# Allegro board SSOM_K1_Layout.brd (continued)
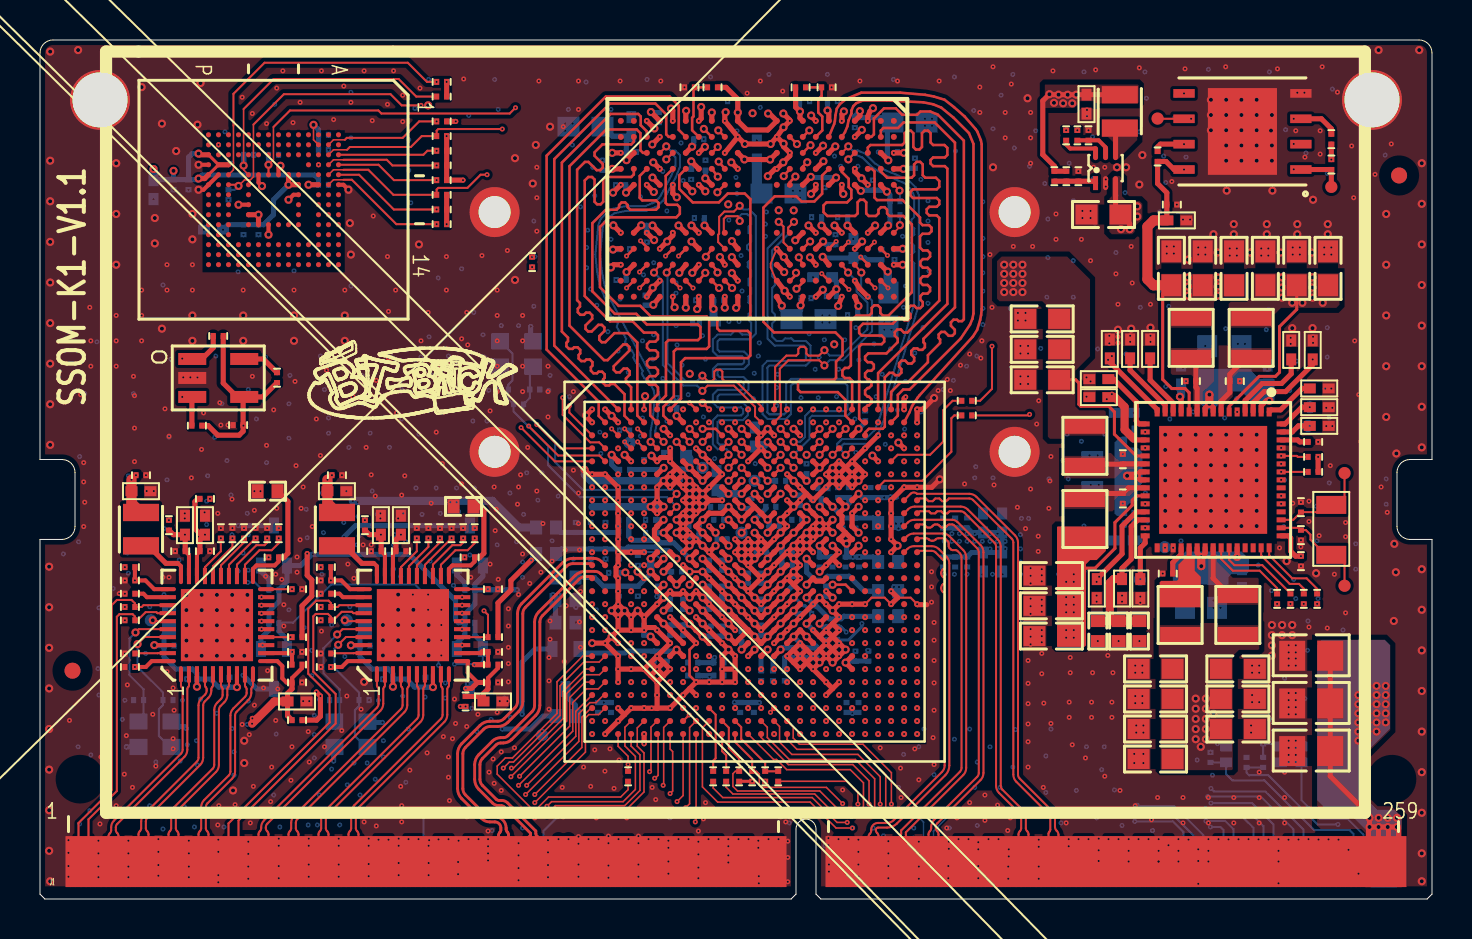
[diagram p0: board, top side]
## Routing (per net, layer and track width the routed paths; a pad name or vN(x,y) marks a point on that pad's centre or on a via; arc(x,y) is an arc through that point) (continued)
VBUS_ON0: length 1.5
  TOP w0.254: U1.E3 v5(28.58,22.23)
  BOTTOM w0.254: v5(28.58,22.23) 28.58,21.75 28.84,21.48 R100.1
VCC1V8_SYS: length 109.3
  TOP w0.152: U5.6 59.46,24.66 60.96,26.16 61.77,26.16 61.98,26.37 61.98,28.65 62.84,29.51 C139.2 ; U7.P3 U7.N4 8.93,36.75 U7.P5 ; R11.2 v7(35.61,5.89)
  TOP w0.254: R125.1 22.9,14.82 23.55,15.47 23.55,15.94 v1(24.56,16.96) ; R103.2 9.16,25.82 9.85,25.13 U9.4 ; U9.4 11.14,25.13 R102.1 ; U9.4 10.16,25.08 C227.1 10.16,23.71 ; 10.16,23.71 v1(10.17,23.7) ; 10.16,23.71 10.16,23.41 9.96,23.22 8.89,23.22 8.41,23.7 R104.2 ; v5(7.93,36.06) 8.23,36.06 U7.P5 ; U7.N4 U7.M4 ; U7.P3 7.98,37.25 v5(7.93,37.31) ; U1.AA21 v5(40.28,11.83) U1.Y21 ; v1(63.91,22.13) R73.2 ; v1(13.36,17.29) 13.36,16.21 13.59,15.98 13.59,15.16 13.1,14.68 R185.1 ; U7.C6 v5(13.43,35.75) ; U1.F6 v5(31.18,21.58)
  L2 w0.152: v8(33.81,8.38) 33.81,9.26 v1(34.11,9.56) ; v8(35.34,6.39) 35.61,6.12 v7(35.61,5.89)
  L3 w0.152: v8(35.34,6.39) 33.81,7.93 v8(33.81,8.38)
  L3 w0.254: v1(40.61,9.56) 40.87,9.3 v2(40.94,9.3) 41,9.3 41.26,9.56 v1(41.26,9.56) ; v1(24.56,16.96) v2(24.91,16.96) ; v1(34.11,10.21) 34.35,9.96 34.35,9.87 v2(34.34,9.86) 34.34,9.8 v1(34.11,9.56) ; v1(10.17,23.7) 10.17,23.26 v2(10.67,22.76) ; v1(28.91,10.21) v2(28.58,9.88) ; v1(63.91,22.13) v2(63.48,22.13) ; v1(36.06,10.21) v2(36.32,9.95) ; v1(8.5,20.03) v2(8.92,20.03)
  L3 w0.406: v2(13.65,17.58) v1(13.36,17.29)
  L4 w0.508: v5(31.18,21.58) 28.33,21.58 25.65,24.26 21.69,24.26 v2(20.93,23.5)
  L6 w0.254: v4(28.19,9.84) 28.53,9.84 v2(28.58,9.88) ; v2(40.94,9.3) v4(40.61,9.3) ; v2(24.91,16.96) 24.95,16.96 v4(25.65,16.26) ; v2(36.32,9.95) 36.09,9.95 v4(35.97,9.83) ; v4(61.16,8.27) v2(61.16,8.64) ; v4(13.65,17.25) v2(13.65,17.58) ; v4(42.8,18.8) 42.93,18.67 v4(42.93,18.54) ; v4(25.65,16.26) v4(25.78,16) v4(25.91,16.26) v4(25.65,16.26) ; v2(34.34,9.86) v4(34.72,9.86)
  L6 w0.406: v4(42.8,18.8) v4(43.05,18.8) v2(49.91,18.8) v2(50.42,18.8)
  L7 w0.254: v4(25.65,16.26) 25.49,16.09 24.73,16.09 24.11,15.48 v6(23.87,15.48)
  BOTTOM w0.254: C86.2 C90.2 40.35,11.91 v5(40.28,11.83) ; 12.35,16.79 Q12.1 ; Q12.1 12.35,15.88 R175.1 11.95,14.89 11.45,14.39 R171.1 11.45,13.45 11.05,13.05 Q11.1 ; Q12.1 13.04,16.69 13.59,17.25 v4(13.65,17.25) 18.46,17.25 20.78,14.94 20.78,13.97 20.92,13.83 R111.1 ; v5(7.93,37.31) 7.61,37.31 7.43,37.13 C220.2 ; 40.59,9.34 C89.2 ; 40.59,9.34 40.61,9.31 v4(40.61,9.3) ; 40.59,9.34 C84.2 ; R111.1 21.24,14.26 21.74,14.76 R115.1 ; R111.1 21.24,13.22 20.84,12.82 Q9.1 ; C85.2 v4(28.19,9.84) C83.2 ; FB7.1 42.93,18.8 v4(42.93,18.54) ; R100.2 29.49,21.5 C88.2 31.1,21.5 v5(31.18,21.58) ; R115.1 v6(23.87,15.48) ; R115.1 21.74,15.75 22.14,16.15 Q10.1 ; C218.2 v5(6.68,36.45) ; C218.2 5.7,36 C217.2 ; C218.2 C220.2 ; C220.2 7.87,36 v5(7.93,36.06) 8.11,36.24 13.73,36.24 13.92,36.05 C219.2 13.43,35.75 v5(13.43,35.75) ; v4(34.72,9.86) 34.74,9.84 C87.2 C82.2 35.96,9.84 v4(35.97,9.83)
  BOTTOM w0.406: C217.2 v5(5.68,36.54)
  vias: v5(62.1,31.11) v5(62.1,30.61) v5(62.1,30.1) v5(62.61,29.84) v5(63.12,29.84) v5(63.63,31.11) v5(63.63,30.61) v5(63.63,30.1) v5(64.14,29.84)
VCC3V3_SYS: length 84.7
  TOP w0.152: C146.2 56.13,30.29 56.13,26.01 56.59,25.55 57.25,25.55 57.46,25.35 U5.11
  TOP w0.254: v1(57.2,36.51) 56.7,36.51 56.3,36.92 R95.2 55.88,35.81 56.34,35.35 C224.1 56.34,34 C225.1 ; U7.K9 v5(10.93,34.25) U7.J10 ; U1.H21 v5(40.93,20.28) ; v7(13.82,10.36) v7(14.02,10.16) 14.02,9.14 13.83,8.95 R204.2 ; U7.F5 v5(12.43,35.75) U7.E6 ; v1(21.28,9.64) v1(21.02,9.64) ; R93.2 v1(64.57,37.01)
  TOP w0.508: C225.1 55.69,33.97 55.37,33.66 55.37,31.02 55.67,30.72 C146.2
  L2 w0.254: 14.53,10.92 14.02,10.41 v7(14.02,10.16) ; 14.53,10.92 14.38,10.92 v7(13.82,10.36) v7(14.02,10.16) ; 14.53,10.92 v8(14.78,10.92) ; v8(15.09,10.92) v8(14.78,10.92) ; v8(14.78,10.92) v7(14.02,10.16)
  L3 w0.254: v1(6.45,18.96) v2(6.15,19.26) ; v1(21.28,9.64) v1(21.02,9.64) v2(20.78,9.4) ; v2(35.71,11.84) 35.71,11.82 v1(35.41,11.51) ; v1(64.57,37.01) 62.4,34.85 57.96,34.85 57.2,35.61 v1(57.2,36.51) ; v1(36.71,11.51) 36.98,11.79 v2(36.98,11.84) ; v2(15.6,10.92) v8(15.09,10.92) v8(14.78,10.92)
  L3 w0.406: v1(16.24,18.96) v2(15.58,19.62)
  L6 w0.254: v2(36.98,11.84) v4(37.24,12.09) ; v4(42.82,20.12) v4(42.52,20.12) 42.5,20.1 v4(42.21,20.1) ; v4(9.15,33.5) v2(9.15,33.13) ; v3(20.78,9.96) v2(20.78,9.4) 21.67,8.51 v4(23.11,8.51) ; v4(15.89,19.88) 15.84,19.93 v4(15.64,19.93) 15.58,19.88 v2(15.58,19.62) 15.63,19.62 v4(15.89,19.88)
  L6 w0.356: 40.13,14.73 41.02,15.62 v4(42.69,15.62) v4(42.95,15.62) 45.97,15.62 46.23,15.37
  L6 w0.508: 55.63,12.06 54.36,10.79 50.8,10.79 46.23,15.37
  BOTTOM w0.254: U7.J10 v5(10.93,34.25) ; U7.J10 C215.2 9.4,33.75 v4(9.15,33.5) ; U7.J10 11.18,33.75 11.68,34.25 11.68,35 v5(12.43,35.75) ; FB9.1 v4(42.69,15.62) ; v4(42.82,20.12) v4(42.52,20.12) 42.5,20.1 v4(42.21,20.1) C97.2 41.12,20.1 v5(40.93,20.28) ; FB10.1 25.16,9.15 24.51,8.51 v4(23.11,8.51) ; C96.2 v4(37.24,12.09)
  BOTTOM w0.406: FB8.1 23.95,18.6 22.61,19.93 v4(15.64,19.93)
  vias: v5(57.4,31.11) v5(57.4,30.66) v5(57.4,30.2) v5(58.88,31.11) v5(58.88,30.66) v5(58.88,30.2)
VCC4V0_SYS: length 45.9
  TOP w0.254: v5(67.39,3.61) v5(67.84,3.61) 67.92,3.53 J1.259 ; v5(67.39,3.61) 67.43,3.57 J1.257 ; v5(67.39,3.61) v5(66.93,3.61) ; J1.255 66.92,3.6 v5(66.93,3.61) ; J1.253 66.43,3.56 v5(66.48,3.61) ; C2.2 C1.2 C3.2 64.51,6.15 66.48,4.19 v5(66.48,4.06) v5(66.48,3.61) ; v5(66.93,3.61) v5(66.48,3.61) ; U5.9 58.26,24.58 v5(58.47,24.79) 58.66,24.6 U5.8 ; U5.37 58.26,17.31 v5(58.06,17.12) 57.86,17.33 U5.36 ; U5.22 55.01,21.38 v5(54.81,21.18) 55.02,20.98 U5.23 ; v5(54.48,33.53) 54.48,33.81 C125.2 53.78,34.51 U4.3 ; U5.41 v5(59.86,17.12) ; v5(61.47,24.94) 61.32,24.94 61.06,24.69 U5.2
  TOP w0.406: v5(58.06,17.12) v5(58.06,16.66) ; v5(54.81,21.18) v5(54.36,21.18) ; v5(58.47,24.79) v5(58.47,25.25)
  L3 w0.254: v1(51.31,38.48) 51.31,38.35 v2(51.51,38.15)
  L6 w0.254: v2(51.51,38.15) 53.24,36.42 53.24,34.26 53.98,33.53 v5(54.05,33.53) ; v4(24.1,9.25) 24.1,7.59 v2(23.57,7.06)
  BOTTOM w0.254: v4(24.1,9.25) 24.1,11.86 24.76,12.52 Q2.1 ; v5(66.93,3.61) v5(66.48,3.61) 66.67,3.41 J1.254 ; v5(66.93,3.61) v5(67.39,3.61) v5(67.84,3.61) 67.67,3.44 J1.258 ; v5(66.93,3.61) 67.17,3.36 J1.256
  vias: v5(54.86,34.67) v5(54.86,34.16) v5(65.92,10.21) v5(65.92,9.75) v5(65.92,9.3) v5(65.92,8.84) v5(65.92,8.38) v5(65.92,7.92) v5(66.37,10.67) v5(66.37,10.21) v5(66.37,9.75) v5(66.37,9.3) v5(66.37,8.84) v5(66.37,8.38) v5(66.37,7.92) v5(66.83,10.67) v5(66.83,10.21) v5(66.83,9.75) v5(66.83,9.3) v5(66.83,8.84) v5(66.83,8.38) v5(66.93,4.06) v5(67.28,10.67) v5(67.28,10.21) v5(67.28,9.75) v5(67.28,9.3) v5(67.28,8.84) v5(67.39,4.06) v5(67.84,4.06)
VCC5V0_SYS: length 1.4
  TOP w0.254: U5.12 57.06,25.09 v5(57,25.15)
  BOTTOM w0.406: C157.2 57.06,25.2 v5(57,25.15)
VCC_BAT: length 26.3
  TOP w0.254: v1(63.05,17.16) 62.78,17.16 62.53,17.41 62.53,18.07 62.42,18.18 U5.46
  L3 w0.254: v1(63.05,17.16) v2(63.37,17.16)
  L6 w0.254: v3(68.4,16.87) 68.4,13.89 64.87,10.36 64.87,7.11 65.56,6.43 65.56,3.33 66.12,2.77 v4(68.17,2.77) ; v2(63.37,17.16) v3(63.7,17.16)
  L7 w0.254: v3(63.7,17.16) 68.11,17.16 v3(68.4,16.87)
  BOTTOM w0.254: J1.260 v4(68.17,2.77)
VCC_M1: length 66.1
  TOP w0.254: U1.V13 U1.W12 v5(34.43,13.13) U1.V11 U1.U10 v5(33.13,14.43) U1.T9 ; U1.V13 v5(35.73,13.13) U1.W14 v5(36.38,13.13) U1.V15 v5(37.03,13.78) U1.U16 v5(37.68,14.43) U1.T17 ; U1.V13 U1.U12 v5(34.43,14.43) U1.T11 U1.R10 v5(33.13,15.73) ; U1.W8 U1.V7 v5(31.18,13.78) U1.U6 ; U1.H13 35.73,19.63 ; 35.73,19.63 U1.J13 v5(35.08,18.98) U1.J12 v5(34.43,19.63) U1.J11 U1.J10 v5(33.13,18.98) U1.K9 v5(33.13,18.33) U1.L10 ; 35.73,19.63 U1.J14 v5(36.38,18.98) U1.J15 ; U1.P13 v5(35.08,16.38) U1.N12 ; U1.W18 v5(38.33,13.13) U1.V17 v5(37.68,13.13) U1.W16 ; U1.K15 v5(36.38,18.33) ; U1.R14 v5(36.38,15.73) U1.P15 v5(37.03,16.38) U1.N16 ; U1.W6 v5(30.53,13.13) ; U1.R16 v5(37.03,15.08) U1.T15 v5(36.38,14.43) U1.U14 v5(35.73,14.43) U1.T13 v5(35.08,15.08) U1.R12 v5(34.43,15.73) U1.P11 U1.N10 v5(33.13,17.03) ; U1.J17 v5(38.33,18.98) U1.K17 v5(37.68,18.33) U1.L16 v5(37.03,17.68) U1.M15 v5(36.38,17.03) U1.N14 ; U1.U8 v5(32.48,13.78) U1.V9 v5(33.13,13.13) U1.W10
  L6 w0.254: v2(24.54,16.51) 24.54,16.36 v4(25.65,15.24) v4(25.91,15.24) 27.48,15.24 27.74,14.99 29.98,14.99 v5(31.18,13.78)
  BOTTOM w0.254: v5(33.13,18.33) C33.2 C69.2 32.94,18.8 v5(33.13,18.98) ; v5(33.13,15.73) 33.21,15.66 C49.2 ; C65.2 37.84,14.27 v5(37.68,14.43) ; v5(33.13,17.03) 33.21,16.96 C62.2 ; v5(37.03,15.08) 37.59,15.65 C29.2 ; v5(34.43,13.13) 34.4,13.16 C48.2 C44.2 33.16,13.16 v5(33.13,13.13) ; v5(33.13,14.43) 33.21,14.51 C57.2 ; C56.2 C74.2 C43.2 46.58,18.35 C55.1 C42.1 C28.1 C66.1 46.58,17.35 C68.2 C72.2 C73.2 ; C63.2 36.31,15.81 v5(36.38,15.73) ; v5(34.43,14.43) 34.36,14.51 C59.2 ; v5(36.38,14.43) 36.31,14.51 C61.2 ; C71.2 34.43,19.64 v5(34.43,19.63) ; v5(37.68,13.13) 38.22,12.6 C46.2 C47.2 38.82,12.65 v5(38.33,13.13) ; C45.2 36.31,13.21 v5(36.38,13.13) ; C58.2 34.36,15.66 v5(34.43,15.73) ; FB3.1 FB1.1 ; v5(30.53,13.13) 30.46,13.21 C30.2 ; C60.2 38.33,18.99 v5(38.33,18.98) ; v5(35.08,16.38) 35.16,16.31 C32.2 ; v5(31.18,13.78) 31.26,13.71 C26.2 C31.2 32.4,13.71 v5(32.48,13.78) ; v5(37.03,17.68) 37.11,17.61 C70.2 C25.2 37.11,16.46 v5(37.03,16.38) ; C67.2 36.38,17.28 v5(36.38,17.03) ; v5(36.38,18.98) 36.46,18.91 C64.2 36.46,18.41 v5(36.38,18.33)
  vias: v2(50.42,17.91) v2(50.42,17.4) v2(50.42,16.89) v2(50.93,18.41) v2(50.93,17.91) v2(50.93,17.4) v2(50.93,16.89) v2(51.44,18.41) v2(51.44,17.91) v2(51.44,17.4) v4(25.65,14.99) v4(25.91,14.99) v4(45.21,18.29) v4(45.21,17.91) v4(45.59,18.29) v4(45.59,17.91) v4(45.97,18.29) v4(45.97,17.91) v4(46.35,18.29) v4(46.35,17.91) v4(46.74,18.29) v4(46.74,17.91) v4(47.12,18.29) v4(47.12,17.91) v4(47.5,18.29) v4(47.5,17.91) v4(47.5,17.53) v4(47.88,18.29) v4(47.88,17.91) v4(47.88,17.53) v4(48.26,18.29) v4(48.26,17.91) v4(48.26,17.53) v5(57.78,10.03) v5(57.78,9.53) v5(57.78,9.02) v5(57.78,8.51) v5(57.78,8) v5(58.04,7.62) v5(58.29,10.03) v5(58.29,9.53) v5(58.29,9.02) v5(58.29,8.51) v5(58.29,8) v5(58.67,9.27)
VDD09_CORE_B_FB: length 27.2
  L3 w0.152: v1(61.86,14.77) v2(61.86,14.43)
  L6 w0.152: v4(41.1,13.79) 41.66,14.35 44.7,14.35 49.78,9.27 55.63,9.27 60.78,14.43 v2(61.86,14.43)
  BOTTOM w0.152: R7.2 40.43,12.97 41.1,13.64 v4(41.1,13.79)
VDD09_CORE_B_FBGND: length 28.2
  L3 w0.152: v1(62.52,14.77) v2(62.52,14.43)
  L6 w0.152: v4(40.31,13.36) 40.31,13.49 41.55,14.73 44.83,14.73 49.91,9.65 55.5,9.65 60.78,14.94 62.01,14.94 v2(62.52,14.43)
  BOTTOM w0.152: v4(40.31,13.36) 40.05,13.62 R8.1
ALDO1_3V3: length 49.3
  TOP w0.254: v1(63.64,27.01) 63.64,26.75 62.28,25.4 61.21,25.4 60.66,24.84 U5.3
  L3 w0.254: v2(36.38,11.83) v1(36.06,11.51) ; v1(63.64,27.01) v2(63.64,26.68)
  L6 w0.254: v4(36.63,12.09) 36.38,11.84 v2(36.38,11.83)
  L6 w0.356: v2(63.64,26.68) 63.14,26.19 63.14,25.35 61.57,23.77 61.57,16.36 55.37,10.16 50.29,10.16 45.34,15.11 41.4,15.11 37.97,11.68 37.69,11.68 37.29,11.28 36.68,11.28 36.38,11.57 v2(36.38,11.83)
  BOTTOM w0.254: C98.2 36.65,12.07 v4(36.63,12.09)
ALDO2_2V8: length 4.1
  TOP w0.254: U5.4 60.26,24.95 61.11,25.81 62.08,25.81 62.56,26.29 C161.2
ALDO3_2V8: length 2.5
  TOP w0.254: U5.1 61.56,24.49 62.03,24.49 63.1,25.56 C162.2
ALDO4_2V8: length 2.4
  TOP w0.254: v1(63.49,24.62) 63.09,24.62 62.25,23.78 U5.60
  L3 w0.254: v1(63.49,24.62) v2(63.82,24.62)
  L6 w0.254: v2(63.82,24.62) 63.82,24.62 v4(63.5,24.62)
AONLDO: length 2.3
  TOP w0.254: v1(63.49,23.68) 62.92,23.68 62.61,23.38 U5.59
  L3 w0.254: v1(63.49,23.68) v2(63.8,23.68)
  L6 w0.254: v4(63.4,23.67) 63.8,23.67 v2(63.8,23.68)
AP_I2C2_SCL: length 153.3
  TOP w0.102: U1.AE8 v1(32.46,9.22)
  TOP w0.254: U9.1 8.1,27.03 8.66,27.59 R103.1
  L3 w0.076: v1(32.46,9.22) 33.41,9.22 34.09,8.53 34.09,8 36.97,5.12 42.68,5.12 42.88,4.93 42.88,4.13 43.08,3.92 43.08,3.71 43.69,3.1 43.69,2.84 v2(43.89,2.64)
  L3 w0.102: v2(5.35,27.83) 6.15,27.03 7.09,27.03 v1(7.11,27.05)
  L5 w0.102: v2(5.35,27.83) 3.12,30.06 3.12,36.86 8.13,41.86 61.72,41.86 67.87,35.71 67.87,23.93 66.93,22.99 66.93,13.46 64.31,10.85 64.31,8.2 62.71,6.6 59.94,6.6 56.52,3.17 51.82,3.17 51.17,2.53 v2(51.17,2.11)
  L6 w0.076: v2(43.89,2.64) 43.89,2.59 45.11,1.37 51.02,1.37 v4(51.17,1.22) v2(51.17,2.11)
  BOTTOM w0.102: J1.192 v4(51.17,1.22)
AP_I2C2_SDA: length 154.5
  TOP w0.254: R104.1 7.59,25.11 U9.3
  L3 w0.076: v8(32.81,9.56) 33.29,9.56 34.26,8.59 34.26,8.08 37.07,5.27 42.79,5.27 43.03,5.03 43.03,4.27 v2(43.51,3.78)
  L3 w0.102: v1(7.11,25.13) 7.11,25.25 v2(4.94,27.42)
  L5 w0.102: v2(51.74,2.24) 51.74,2.57 52.07,2.9 56.72,2.9 60.17,6.35 62.89,6.35 64.54,8 64.54,10.69 67.18,13.34 67.18,22.73 68.2,23.75 68.2,35.74 61.82,42.11 7.92,42.11 2.82,37.01 2.82,29.54 v2(4.94,27.42)
  L6 w0.076: v4(51.66,1.37) 51.66,2.18 51.71,2.24 v2(51.74,2.24) 51.51,2.46 51.03,2.46 50.14,1.57 45.26,1.57 44.4,2.44 44.4,2.95 43.56,3.78 v2(43.51,3.78)
AP_I2C3_SCL_3V3: length 17.3
  L3 w0.076: v8(37.36,10.86) 37.76,10.45 37.76,9.26 37.64,9.13 37.64,8.06 38.02,7.67 45.16,7.67 v2(45.26,7.77)
  L6 w0.076: v2(45.26,7.77) 46.33,6.71 46.33,3.36 v4(46.68,3.01)
  BOTTOM w0.076: J1.174 v4(46.68,3.01)
AP_I2C3_SDA_3V3: length 18.6
  L3 w0.076: v2(45.31,7.21) 45.01,7.52 37.95,7.52 37.48,7.98 37.48,9.2 37.61,9.32 37.61,10.34 37.33,10.62 37.13,10.62 36.89,10.86 v8(36.71,10.86)
  L6 w0.076: v2(45.31,7.21) 46.1,6.43 46.1,3.12 46.51,2.72 46.9,2.72 v4(47.17,3)
  BOTTOM w0.076: J1.176 v4(47.17,3)
AP_I2C4_SCL_3V3: length 17
  L3 w0.076: v1(35.41,10.86) 35.15,10.6 35.15,9.12 35.09,9.07 35.09,8.42 37.42,6.09 43.34,6.09 44.35,5.08 44.35,4.95 v2(44.42,4.88)
  L6 w0.076: v4(45.68,2.44) 44.93,3.18 44.93,4.37 v2(44.42,4.88)
  BOTTOM w0.076: J1.170 v4(45.68,2.44)
AP_I2C4_SDA_3V3: length 17
  L3 w0.076: v2(44.4,4.34) 44.07,4.67 44.07,5.11 43.27,5.91 37.37,5.91 34.94,8.34 34.94,9.22 34.99,9.27 34.99,9.97 v1(34.76,10.21)
  L6 w0.076: v2(44.4,4.34) 44.74,4 44.74,2.78 45.49,2.03 v4(46.17,2.03)
  BOTTOM w0.076: J1.172 v4(46.17,2.03)
AP_I2C6_SCL: length 77.3
  TOP w0.102: U1.C3 v8(28.58,23.53)
  L3 w0.102: v2(21.84,1.14) 21.16,1.83 19.61,1.83 19.3,1.52 10.87,1.52 1.78,10.62 1.78,16.36 3.43,18.01 3.43,28.42 5.74,30.73 21.84,30.73 28.07,24.51 28.07,24.05 v8(28.58,23.53)
  L6 w0.102: v4(26.17,1.63) 26.1,1.55 22.25,1.55 v2(21.84,1.14)
  BOTTOM w0.102: J1.100 v4(26.17,1.63)
AP_I2C6_SDA: length 76.5
  L3 w0.102: v8(28.26,23.21) 27.71,23.75 27.71,24.51 21.76,30.46 5.86,30.46 3.68,28.29 3.68,17.87 2.05,16.24 2.05,10.76 11.08,1.73 19.15,1.73 19.46,2.03 21.51,2.03 v2(22.4,1.14)
  L6 w0.102: v4(26.67,1.45) 26.52,1.3 22.56,1.3 v2(22.4,1.14)
  BOTTOM w0.102: J1.102 v4(26.67,1.45)
AP_WAKE_BT: length 32.5
  TOP w0.102: J1.241 v1(63.42,3)
  L3 w0.102: v2(60.93,5.77) 60.93,5.49 v1(63.42,3) ; v1(41.26,14.11) 41.39,14.11 v2(41.66,13.84)
  L6 w0.102: v2(41.66,13.84) 41.66,13.74 v3(41.86,13.54) ; v2(60.93,5.77) v3(60.93,6.1)
  L7 w0.102: v3(41.86,13.54) 41.86,13.84 43.6,15.58 55.33,15.58 60.86,10.06 60.86,6.17 v3(60.93,6.1)
AUD_VDDU09: length 4.5
  TOP w0.254: U1.R18 v5(38.33,15.08)
  BOTTOM w0.254: FB2.2 40.19,14.15 40.06,14.02 39.46,14.02 38.81,14.67 38.74,14.67 v5(38.33,15.08)
BG_OUT: length 8.8
  L3 w0.076: v2(29.87,22.3) 30.13,22.56 32.17,22.56 32.82,21.91 33.41,21.91 33.58,21.74 33.58,19.19 v8(34.11,18.66)
  L6 w0.076: v4(29.48,22.84) 29.48,22.69 v2(29.87,22.3)
  BOTTOM w0.076: C109.2 29.48,23.46 v4(29.48,22.84)
BT_RESETN: length 112.6
  TOP w0.102: J1.243 v1(63.92,2.98)
  L3 w0.076: v1(30.21,21.91) 30.19,21.89 28.42,21.89 26.06,24.26 25.68,24.26 22.94,27 21.51,27 20.4,28.12 v2(20.4,28.75)
  L3 w0.102: v2(62.05,5.31) 62.05,4.9 63.92,3.03 v1(63.92,2.98)
  L6 w0.102: v2(62.05,5.31) 62.05,5.97 62.28,6.2 62.28,10.72 65.38,13.82 65.38,36.77 61,41.15 18.96,41.15 17.42,39.61 17.42,31.72 v2(20.4,28.75)
BT_WAKE_AP: length 115.9
  TOP w0.102: U1.E2 27.97,22.2 25.91,22.2 v1(24.43,23.67) ; J1.247 v1(64.92,2.97)
  L3 w0.102: v1(24.43,23.67) 22.78,25.32 20.57,25.32 v2(17.25,28.65) ; v1(64.92,2.97) 63.75,4.15 v2(63.75,4.37)
  L6 w0.102: v2(63.75,4.37) 63.75,10.49 66.52,13.26 66.52,37.24 61.47,42.29 18.49,42.29 16.28,40.08 16.28,29.62 v2(17.25,28.65)
BUCK5_2V1: length 9.3
  TOP w0.152: U5.25 54.83,20.18 54.61,19.96 54.61,19.71 53.75,18.85 53.75,17.55 52.76,16.56 51.79,16.56 C148.2
  TOP w0.254: 52.25,18.01 51.74,18.01
  L3 w0.254: v1(55.26,23.38) v2(55.02,23.62) ; v1(55.26,18.58) v2(55.02,18.34)
  L6 w0.254: v2(55.02,18.34) 55.14,18.21 v4(55.14,17.98) ; v4(54.69,24.34) 55.02,24.02 v2(55.02,23.62)
  BOTTOM w0.254: C166.2 55.11,17.95 v4(55.14,17.98)
  vias: v1(51.31,15.88) v1(51.31,15.11) v1(51.31,14.73) v1(51.31,14.35) v1(51.31,13.46) v1(51.31,13.08) v1(51.69,16.26) v1(51.69,15.88) v1(51.69,15.11) v1(51.69,14.73) v1(51.69,14.35) v1(51.69,13.46) v1(51.69,13.08)
CAN_RX0: length 16.1
  TOP w0.076: U1.AD15 v8(36.53,9.35)
  L3 w0.076: v2(45.22,6.1) 44.81,6.1 43.89,7.01 37.8,7.01 37.03,7.78 37.03,9 36.68,9.35 v8(36.53,9.35)
  L6 w0.076: v2(45.22,6.1) 45.47,6.1 45.77,5.79 v4(45.77,4.5)
  BOTTOM w0.076: v4(45.77,4.5) 44.68,3.4 J1.166
CAN_TX0: length 14.1
  TOP w0.076: v1(42.57,4.75) 42.57,6.33 41.15,7.75 37.97,7.75 37.66,8.06 37.66,8.59 37.36,8.89 U1.AE16
  L3 w0.076: v2(43.74,2.11) 43.74,2.19 43.43,2.49 43.43,2.97 42.75,3.66 42.75,3.94 42.57,4.12 v1(42.57,4.75)
  L6 w0.076: v4(45.17,0.97) 44.87,0.97 43.74,2.1 v2(43.74,2.11)
  BOTTOM w0.076: J1.168 v4(45.17,0.97)
CODEC_IRQ: length 28
  L3 w0.102: v2(43.45,13.86) 43.21,14.11 v1(43.21,14.11)
  L6 w0.102: v2(43.45,13.86) v3(43.7,13.62)
  L7 w0.102: v6(58.38,5.13) 57.02,6.49 57.02,10.67 53.98,13.72 43.79,13.72 v3(43.7,13.62)
  BOTTOM w0.102: J1.238 62.68,3.49 61.04,5.13 v6(58.38,5.13)
CSI1_CKN: length 53.4
  L3 w0.102: v8(29.56,19.96) v2(29.26,20.1)
  L6 w0.102: v2(29.26,20.1) 29.19,20.17 arc(29.13,20.21) 29.06,20.22 28.99,20.22 arc(28.95,20.21) 28.91,20.19 28.86,20.14 28.82,20.1 arc(28.78,20.07) 28.74,20.07 28.63,20.07 arc(28.59,20.07) 28.55,20.1 28.51,20.14 28.46,20.19 arc(28.42,20.21) 28.38,20.22 28.27,20.22 arc(28.23,20.21) 28.19,20.19 28.15,20.14 28.1,20.1 arc(28.06,20.07) 28.02,20.07 27.91,20.07 arc(27.87,20.07) 27.83,20.1 27.79,20.14 27.74,20.19 arc(27.7,20.21) 27.66,20.22 27.58,20.22 arc(27.44,20.25) 27.32,20.33 26.46,21.19 arc(26.39,21.3) 26.37,21.42 26.37,23.1 arc(26.36,23.14) 26.33,23.18 23.86,25.65 arc(23.77,25.71) 23.67,25.73 7.18,25.73 arc(7.1,25.72) 7.03,25.67 3.38,22.02 arc(3.31,21.91) 3.28,21.79 3.28,17.31 arc(3.24,17.12) 3.13,16.95 1.89,15.71 arc(1.83,15.62) 1.81,15.51 1.81,9.94 arc(1.83,9.83) 1.89,9.74 4.4,7.23 arc(4.47,7.12) 4.5,6.99 4.5,4.3 arc(4.46,4.09) 4.34,3.9 4.05,3.62 arc(4.04,3.61) 4.04,3.6 4.04,3.21 arc(4.06,3.13) 4.1,3.06 v4(4.17,2.99)
  BOTTOM w0.102: J1.12 v4(4.17,2.99)
CSI1_CKP: length 54.3
  L3 w0.102: v8(30.21,19.96) v2(29.97,20.2)
  L6 w0.102: v2(29.97,20.2) 29.84,20.34 arc(29.71,20.43) 29.55,20.46 27.58,20.46 arc(27.53,20.47) 27.48,20.5 26.63,21.35 arc(26.61,21.38) 26.6,21.42 26.6,23.1 arc(26.57,23.23) 26.49,23.35 24.03,25.82 arc(23.86,25.93) 23.67,25.97 7.18,25.97 arc(7.01,25.93) 6.86,25.84 3.21,22.19 arc(3.09,22) 3.05,21.79 3.05,17.31 arc(3.03,17.2) 2.97,17.12 1.72,15.87 arc(1.61,15.71) 1.57,15.51 1.57,9.94 arc(1.61,9.74) 1.72,9.58 4.23,7.07 arc(4.26,7.03) 4.27,6.99 4.27,5.66 4.27,4.3 arc(4.24,4.18) 4.17,4.07 3.88,3.78 arc(3.83,3.7) 3.81,3.6 3.81,3.21 arc(3.79,3.13) 3.75,3.06 v4(3.67,2.99)
  BOTTOM w0.102: J1.10 v4(3.67,2.99)
CSI1_DN0: length 54.5
  L3 w0.102: v8(29.56,20.61) v2(29.31,20.86)
  L6 w0.102: v2(29.31,20.86) 29.24,20.93 arc(29.17,20.97) 29.1,20.98 28.54,20.98 arc(28.41,21.01) 28.29,21.09 28.23,21.15 arc(28.18,21.18) 28.12,21.19 28.03,21.19 27.95,21.19 arc(27.89,21.2) 27.83,21.24 27.8,21.27 arc(27.75,21.34) 27.74,21.43 27.74,21.5 arc(27.71,21.63) 27.64,21.74 27.43,21.94 arc(27.36,22.06) 27.33,22.19 27.33,22.21 arc(27.3,22.34) 27.23,22.45 27.14,22.54 arc(27.09,22.61) 27.08,22.7 27.08,22.72 arc(27.09,22.8) 27.14,22.87 27.27,23 arc(27.32,23.07) 27.33,23.15 27.33,23.17 arc(27.32,23.24) 27.27,23.31 24.22,26.37 arc(24.13,26.42) 24.02,26.45 6.98,26.45 arc(6.87,26.42) 6.78,26.37 2.7,22.28 arc(2.64,22.2) 2.62,22.09 2.62,17.84 arc(2.58,17.65) 2.47,17.48 1.23,16.24 arc(1.17,16.15) 1.15,16.05 1.15,9.63 arc(1.17,9.53) 1.23,9.44 3.66,7.01 arc(3.77,6.84) 3.81,6.65 3.81,4.96 arc(3.77,4.77) 3.66,4.6 2.65,3.59 arc(2.59,3.5) 2.57,3.4 2.57,3.16 arc(2.58,3.1) 2.62,3.05 v4(2.67,2.99)
  BOTTOM w0.102: J1.6 v4(2.67,2.99)
CSI1_DN1: length 53.9
  L3 w0.102: v2(25.35,22.49) 25.44,22.39 arc(25.5,22.31) 25.52,22.2 25.52,21.45 25.65,21.32 25.65,21.24 25.65,21.15 arc(25.67,21.09) 25.7,21.03 25.81,20.93 25.88,20.93 25.97,20.93 arc(26.04,20.92) 26.1,20.88 26.15,20.82 arc(26.28,20.74) 26.42,20.71 26.68,20.71 26.74,20.64 26.81,20.57 27.02,20.57 27.08,20.64 27.15,20.71 27.44,20.71 arc(27.5,20.7) 27.55,20.67 v1(27.61,20.61)
  L6 w0.102: v2(25.35,22.49) 25.44,22.58 arc(25.5,22.67) 25.52,22.77 25.52,22.91 arc(25.5,23.02) 25.44,23.11 23.64,24.91 arc(23.55,24.97) 23.44,24.99 7.71,24.99 arc(7.58,24.97) 7.47,24.89 4.01,21.43 arc(3.94,21.33) 3.91,21.2 3.91,16.77 arc(3.87,16.58) 3.76,16.41 2.57,15.22 arc(2.51,15.13) 2.49,15.02 2.49,10.17 arc(2.51,10.07) 2.57,9.98 5.19,7.36 arc(5.3,7.2) 5.33,7 5.33,6.65 arc(5.38,6.55) 5.49,6.5 7.22,6.5 arc(7.52,6.38) 7.65,6.07 7.65,5.46 arc(7.52,5.16) 7.22,5.03 5.33,5.03 arc(5.19,4.97) 5.13,4.83 5.13,4.18 arc(5.15,4.07) 5.21,3.98 5.39,3.81 arc(5.5,3.64) 5.54,3.45 5.54,3.2 arc(5.55,3.12) 5.6,3.05 v4(5.67,2.97)
  BOTTOM w0.102: J1.18 v4(5.67,2.97)
CSI1_DN2: length 53.9
  L3 w0.102: v1(27.61,19.96) 27.55,20.01 arc(27.51,20.04) 27.46,20.05 27.31,20.05 27.24,19.98 27.17,19.91 26.97,19.91 26.9,19.98 26.84,20.05 26.63,20.05 26.56,19.98 26.5,19.91 26.29,19.91 26.22,19.98 26.16,20.05 25.97,20.05 arc(25.77,20.09) 25.61,20.2 24.71,21.1 arc(24.6,21.26) 24.56,21.46 24.56,21.73 arc(24.54,21.8) 24.5,21.86 v2(24.43,21.93)
  L6 w0.102: v2(24.43,21.93) 24.5,22 arc(24.54,22.06) 24.56,22.13 24.56,22.88 arc(24.54,22.98) 24.48,23.07 23.32,24.23 arc(23.23,24.29) 23.12,24.31 7.97,24.31 arc(7.86,24.29) 7.77,24.23 7.22,23.68 arc(7.16,23.59) 7.14,23.49 7.14,17.65 arc(7.19,17.53) 7.32,17.48 8.18,17.48 arc(8.43,17.37) 8.53,17.12 8.53,16.76 arc(8.42,16.49) 8.15,16.38 5.77,16.38 arc(5.67,16.36) 5.58,16.3 3.36,14.08 arc(3.3,13.99) 3.28,13.89 3.28,12.17 arc(3.3,12.07) 3.36,11.98 4.21,11.13 arc(4.3,11.08) 4.4,11.05 5.4,11.05 arc(5.59,11.02) 5.76,10.91 8.31,8.35 arc(8.42,8.18) 8.46,7.99 8.46,5.19 arc(8.42,5) 8.31,4.83 7.09,3.61 arc(7.03,3.52) 7.01,3.42 7.01,3.15 arc(7.06,3.04) 7.16,3 v4(7.17,3)
  BOTTOM w0.102: J1.24 v4(7.17,3)
CSI1_DN3: length 54.4
  L3 w0.102: v2(29.21,19.31) v8(29.56,19.31)
  L6 w0.102: v4(8.67,3.02) 8.6,3.09 arc(8.56,3.16) 8.54,3.24 8.54,3.73 arc(8.56,3.83) 8.62,3.92 9.03,4.33 arc(9.14,4.49) 9.17,4.69 9.17,8.09 arc(9.14,8.28) 9.03,8.45 5.79,11.69 arc(5.62,11.8) 5.43,11.84 4.74,11.84 arc(4.63,11.86) 4.54,11.92 4.07,12.39 arc(4.01,12.47) 3.99,12.58 3.99,13.63 arc(4.01,13.74) 4.07,13.83 5.83,15.59 arc(5.92,15.65) 6.03,15.67 8.6,15.67 arc(8.79,15.71) 8.96,15.82 9.28,16.14 arc(9.39,16.3) 9.43,16.5 9.43,17.49 arc(9.39,17.68) 9.28,17.85 9.04,18.09 arc(8.87,18.2) 8.68,18.24 8.08,18.24 arc(7.92,18.3) 7.85,18.46 7.85,21.4 arc(7.93,21.59) 8.13,21.67 8.36,21.67 arc(8.85,22.16) 8.36,22.65 8.11,22.65 arc(7.93,22.72) 7.85,22.9 7.85,23.03 arc(7.87,23.14) 7.93,23.22 8.2,23.49 arc(8.29,23.55) 8.39,23.57 18.96,23.57 arc(19.07,23.55) 19.16,23.49 21.87,20.78 arc(22.03,20.67) 22.23,20.63 25.89,20.63 arc(26,20.61) 26.09,20.55 27.04,19.59 arc(27.15,19.52) 27.28,19.49 27.3,19.49 arc(27.35,19.48) 27.39,19.45 27.45,19.4 27.5,19.34 arc(27.54,19.31) 27.59,19.3 27.69,19.3 arc(27.74,19.31) 27.78,19.34 27.84,19.4 27.89,19.45 arc(27.93,19.48) 27.98,19.49 28.08,19.49 arc(28.13,19.48) 28.17,19.45 28.23,19.4 28.28,19.34 arc(28.32,19.31) 28.38,19.3 28.47,19.3 arc(28.52,19.31) 28.56,19.34 28.62,19.4 28.67,19.45 arc(28.71,19.48) 28.77,19.49 28.91,19.49 arc(29.02,19.47) 29.11,19.41 v2(29.21,19.31)
  BOTTOM w0.102: J1.30 v4(8.67,3.02)
CSI1_DP0: length 55.4
  L3 w0.102: v8(30.21,20.61) v2(29.97,20.86)
  L6 w0.102: v2(29.97,20.86) 29.97,20.91 29.81,21.07 arc(29.65,21.18) 29.46,21.22 28.54,21.22 arc(28.49,21.23) 28.45,21.26 27.6,22.11 arc(27.57,22.15) 27.56,22.19 27.56,23.17 arc(27.53,23.33) 27.44,23.47 24.38,26.53 arc(24.22,26.64) 24.02,26.68 6.98,26.68 arc(6.78,26.64) 6.62,26.53 2.54,22.45 arc(2.43,22.29) 2.39,22.09 2.39,17.84 arc(2.37,17.74) 2.31,17.65 1.06,16.41 arc(0.95,16.24) 0.91,16.05 0.91,9.63 arc(0.95,9.44) 1.06,9.27 3.5,6.84 arc(3.56,6.75) 3.58,6.65 3.58,4.96 arc(3.56,4.85) 3.5,4.77 2.49,3.76 arc(2.38,3.59) 2.34,3.4 2.34,3.26 arc(2.32,3.16) 2.26,3.08 v4(2.18,2.99)
  BOTTOM w0.102: J1.4 v4(2.18,2.99)
CSI1_DP1: length 54.7
  L3 w0.102: v1(28.26,20.61) 28.24,20.61 28.06,20.8 arc(27.89,20.91) 27.7,20.94 26.42,20.94 arc(26.37,20.95) 26.32,20.99 25.76,21.55 25.76,22.24 arc(25.77,22.33) 25.82,22.41 v2(25.91,22.49)
  L6 w0.102: v2(25.91,22.49) 25.82,22.57 arc(25.77,22.65) 25.76,22.74 25.76,22.91 arc(25.72,23.11) 25.61,23.27 23.8,25.08 arc(23.64,25.19) 23.44,25.23 7.71,25.23 arc(7.49,25.18) 7.31,25.06 3.85,21.6 arc(3.72,21.41) 3.68,21.2 3.68,16.77 arc(3.66,16.67) 3.6,16.58 2.4,15.38 arc(2.29,15.22) 2.26,15.02 2.26,10.17 arc(2.29,9.98) 2.4,9.81 5.02,7.2 arc(5.08,7.11) 5.1,7 5.1,6.65 arc(5.21,6.38) 5.49,6.27 7.22,6.27 arc(7.36,6.21) 7.42,6.07 7.42,5.46 arc(7.36,5.32) 7.22,5.26 5.33,5.26 arc(5.03,5.13) 4.9,4.83 4.9,4.18 arc(4.94,3.98) 5.05,3.82 5.22,3.64 arc(5.28,3.55) 5.3,3.45 5.3,3.17 arc(5.29,3.1) 5.25,3.04 v4(5.17,2.96)